# Altium PCB LimeSDR-PCIe_1v3.PcbDoc (part 8 of 10)
Units mm, origin at the board's own origin, x right, y up, seen from the top; angles counter-clockwise.
Board outline 136.85 x 68.9 mm, 12 copper layers (Top, L2, L3, L4, L5, L6, L7, L8, L9, L10, L11, Bottom), stack 1.638 mm thick; 831 components, 538 nets, 3821 pads, 1805 vias.
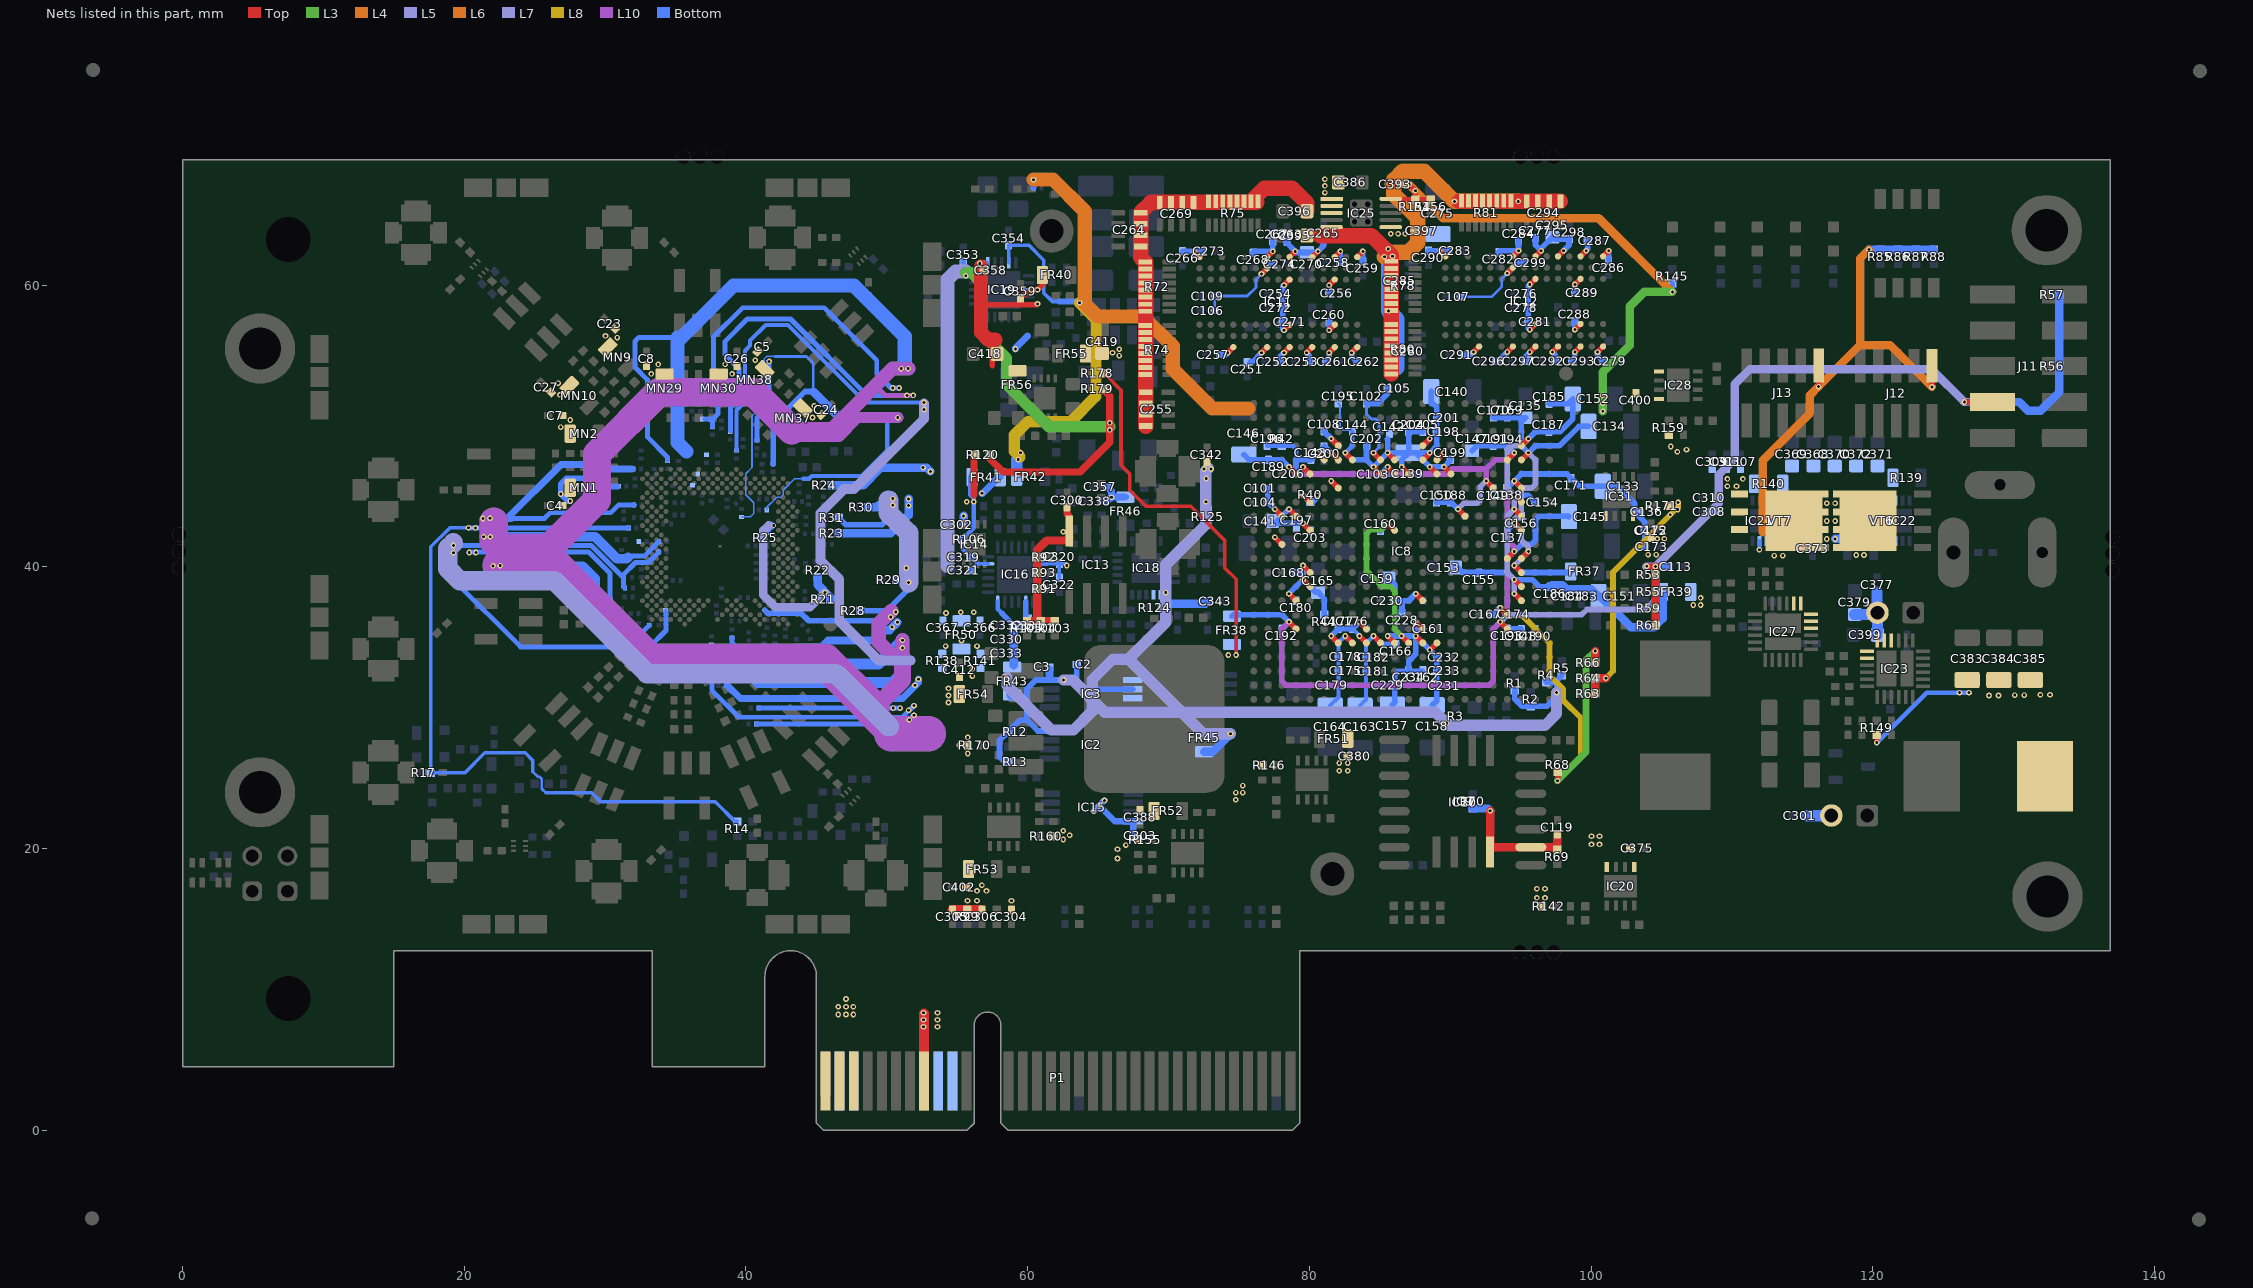
[diagram p18: the nets of this part, all layers, seen from the top]

## Via types
v1: diameter 0.4, hole 0.2, Top to Bottom, tented both sides, 1697 vias
v2: diameter 0.35, hole 0.2, Top to Bottom, tented top, 87 vias
v3: diameter 0.5, hole 0.2, Top to Bottom, tented both sides, 20 vias
v4: diameter 0.4, hole 0.2, Top to Bottom, tented top, 1 vias

## Nets (pads, with @x,y where several pads share a name; then routed paths per layer and width w, separated by ;. In a path a pad name is that pad's centre, name@x,y a point inside that pad or via, vN(x,y) a via of type N, cw(c..) or ccw(c..) an arc to the next point about the centre after c; other vN are vias at no path point) (continued)
VCC1P2L_FPGA: C133.2 C134.2 C135.2 C136.2 C137.2 C138.1 C169.1 C170.1 C171.1 C172.1 C173.1 FR37.2 IC8.K3 IC8.L3 IC8.N3 IC8.T3 IC8.V3 | length 43.2
  Top w0.4: v1(94.55,40.1) IC8.K3@95.05,39.6 ; v1(94.55,43.1) IC8.N3@95.05,42.6 ; v1(94.55,46.1) IC8.T3@95.05,45.6 ; IC8.L3@95.05,40.6 v1(95.55,41.1) ; IC8.V3@95.05,47.6 v1(95.55,48.1)
  L7 w0.4: v1(94.55,40.1) v1(95.55,41.1) 95.55,41.393 95.05,41.893 95.05,42.6 v1(94.55,43.1) 94.55,43.393 95.05,43.893 95.05,45.6 ; v1(94.55,46.1) 95.05,45.6 ; v1(95.55,48.1) 96.05,47.6 96.05,45.893 95.757,45.6 95.05,45.6
  Bottom w0.4: C170.1@93.075,50.625 93.075,50.6 94.025,50.6 C135.2@95.35,50.6 95.05,50.3 95.05,48.6 v1(95.55,48.1) 96.05,48.6 97.757,48.6 99.132,49.975 C134.2@99.825,49.975 ; C138.1@94,45.6 94.05,45.6 v1(94.55,46.1) 95.05,46.6 98.3,46.6 99.175,45.725 C133.2@100.825,45.725 101.875,45.725 103.1,44.5 103.1,43.9 103.798,43.203 C172.1@103.798,42.586 C173.1@103.798,41.439 ; C137.2@94.075,42.575 94.075,42.625 v1(94.55,43.1) ; v1(94.55,40.1) 95.05,39.6 98.525,39.6 FR37.2@98.55,39.625
VCC1P4_LMS: FR28.1 FR30.2 FR32.2 FR33.2 FR34.2 FR35.2 R155.1 | length 140.6
  L5 w0.7: 51.7,33.35 49.45,33.35 46.625,36.175 46.625,39.131 45.3,40.456 45.3,43.819 47.006,45.525 47.675,45.525 52.65,50.5 v1(52.65,51.175) v1@52.65,51.6
  L5 w1.4: v1@19.225,41.7 18.825,41.3 18.825,39.875 19.675,39.025 26.375,39.025 32.975,32.425 46.375,32.425 50.15,28.65
  Bottom w0.3: FR35.2@39.324,48.261 39.324,51.124 39.925,51.725 39.925,55.35 40.292,55.717 40.292,56.067 41.4,57.175 42.985,57.175 48.485,51.675 v1(52.65,51.675)
  Bottom w0.35: FR32.2@31.25,39.35 31.319,39.419 31.319,39.469 32.161,40.311 33.076,40.311 FR28.1@33.815,41.05 ; FR33.2@31.394,38.506 31.319,38.581 31.319,39.281 31.249,39.281 29.011,41.519 v1(19.231,41.519) v1(19.231,41) 19.231,39.094 24,34.325 33.165,34.325 34.324,35.484 FR34.2@34.324,36.881
  Bottom w0.4: v1(52.65,51.175) v1(52.65,51.675)
  Bottom w0.5: FR30.2@38.667,31.593 39.61,30.65 51.1,30.65 52.253,31.803 v1(52.253,32.027)
  other v1: 66.375,19.3 66.375,19.95 66.975,20.25 52,31.6
VCC1P8: C139.2 C140.2 C141.2 C142.2 C143.2 C144.1 C195.1 C196.1 C197.1 C198.1 C199.1 C200.1 C201.1 C202.1 C203.1 C204.1 C205.1 C206.1 C354.1 FR42.1 FR47.1 FR48.1 IC8.N18 IC8.P19 IC8.R18 IC8.U8 IC8.U9 IC8.U11 IC8.U13 IC8.V10 IC8.V12 IC8.V15 IC8.V16 IC8.V17 IC19.14 R40.2 R42.2 R63.1 R64.1 R171.1 | length 116
  Top w0.4: v1(78.55,44.1) IC8.P19@79.05,43.6 ; v1(79.55,43.1) IC8.N18@80.05,42.6 ; v1(79.55,45.1) IC8.R18@80.05,44.6 ; v1(80.55,48.1) IC8.V17@81.05,47.6 ; v1(81.55,48.1) IC8.V16@82.05,47.6 ; v1(82.55,48.1) IC8.V15@83.05,47.6 ; v1(84.55,47.1) IC8.U13@85.05,46.6 ; v1(85.55,48.1) IC8.V12@86.05,47.6 ; v1(86.55,47.1) IC8.U11@87.05,46.6 ; IC8.V10@88.05,47.6 v1(88.55,48.1) ; v1(88.55,47.1) IC8.U9@89.05,46.6 ; v1(89.55,47.1) IC8.U8@90.05,46.6
  Top w0.6: R63.1@100.3,31 R64.1@100.3,32.1 v1(101.05,32.1)
  L8 w0.4: v1(101.05,32.1) 101.55,32.6 101.55,39.625 106.175,44.25 v1(106.175,44.575)
  L8 w0.8: 59.45,47.825 59.05,48.225 59.05,49.35 60,50.3 63.025,50.3 64.85,52.125 64.85,57.575 v1(63.675,58.75)
  L6 w1: v1(60.418,67.493) 61.807,67.493 64.05,65.25 64.05,58.675 64.95,57.775 68.2,57.775 70.3,55.675 70.3,54.05 73.1,51.25 75.675,51.25
  Bottom w0.14: C195.1@82.175,51.475 82.175,49.945 82.395,49.725 C144.1@82.925,49.725
  Bottom w0.15: C195.1@82.05,51.6 C195.1@82.175,51.475 ; C144.1@82.925,49.725 C144.1@83.05,49.6
  Bottom w0.25: IC19.14@58.65,61.6 C354.1@58.65,62.85 60.075,62.85 61.151,61.774 61.151,59.451 61.15,59.45 61.757,58.843 FR47.1@62.251,58.843
  Bottom w0.3: C196.1@77,48.6 R42.2@78.05,48.6 ; R42.2@78.025,48.6 78.8,48.6 79.075,48.325 79.075,47.6 ; v1(82.55,48.1) 83.05,48.6 C144.1@83.05,49.6
  Bottom w0.4: FR48.1@60.418,66.899 v1(60.418,67.493) ; FR47.1@62.251,58.843 63.582,58.843 v1(63.675,58.75) ; C141.2@77.4,43.1 C141.2@77.55,43.1 ; v1@78.55,44.125 v1(78.55,44.1) C141.2@77.55,43.1 ; C206.1@79.05,46.6 79.05,47.575 79.075,47.6 C143.2@80.1,47.6 v1@80.6,48.1 ; v1(79.55,45.1) 80.025,44.625 R40.2@80.075,44.625 80.25,44.625 80.55,44.925 v1(80.55,45.1) ; C203.1@80.075,42.575 v1(79.55,43.1) C141.2@77.55,43.1 ; v1(80.55,48.1) v1@80.6,48.1 ; v1(81.55,48.1) 81.1,48.55 C200.1@81.05,48.55 v1@80.6,48.1 ; v1(82.55,48.1) 83.05,47.6 84.05,47.6 ; C202.1@84.075,48.6 84.05,48.575 84.05,47.6 ; 85.525,49.075 85.55,49.05 v1(85.55,48.1) ; v1(86.55,47.1) 86.55,47.6 C139.2@87.05,48.1 ; C139.2@87.05,48.15 C204.1@87.05,49.6 C205.1@88.05,49.6 ; C140.2@88.65,52.45 88.65,51.6 88.757,51.6 89.05,51.307 89.05,48.6 v1(88.55,48.1) C139.2@87.55,48.1 ; C199.1@90,47.6 90,47.55 v1(89.55,47.1) v1(88.55,47.1) C139.2@87.55,48.1 ; 84.05,47.6 v1(84.55,47.1) v1(85.55,48.1) ; v1(85.55,48.1) C139.2@87,48.1 C139.2@87.05,48.1 ; C139.2@87.05,48.1 C139.2@87.55,48.1
  Bottom w0.8: FR42.1@59.225,46.75 v1@59.225,47.625
  other v1: 105.625,43.7 106.15,44.075 59.325,47.625 59.5,48.1
VCC1P8_DDR2: C251.1 C252.1 C253.1 C254.1 C256.1 C257.1 C258.1 C259.1 C260.1 C261.1 C262.1 C263.1 C265.1 C266.1 C267.1 C268.1 C270.2 C271.2 C272.2 C273.1 C275.2 C276.1 C277.1 C278.1 C279.1 C281.1 C282.1 C283.1 C284.1 C286.1 C287.1 C288.1 C289.1 C290.1 C291.1 C292.1 C293.1 C295.2 C296.2 C297.2 C298.1 C386.2 IC11.A1 IC11.A9 IC11.C1 IC11.C3 IC11.C7 IC11.C9 IC11.E1 IC11.E9 IC11.G1 IC11.G3 IC11.G7 IC11.G9 IC11.J1 IC11.J9 IC11.M9 IC11.R1 IC12.A1 IC12.A9 IC12.C1 IC12.C3 IC12.C7 IC12.C9 IC12.E1 IC12.E9 IC12.G1 IC12.G3 IC12.G7 IC12.G9 IC12.J1 IC12.J9 IC12.M9 IC12.R1 IC25.1 IC25.2 R159.1 | length 54.8
  Top w0.4: v1(71.8,62.4) IC11.R1@72.2,62 ; v1(74.2,55.2) IC11.M9@74.6,55.6 ; v1(76.6,55.2) IC11.J9@77,55.6 ; IC11.J1@77,62 v1(77.4,62.4) ; v1(78.2,55.2) IC11.G9@78.6,55.6 ; v1(78.2,56.8) IC11.G7@78.6,57.2 ; v1(78.2,60) IC11.G3@78.6,60.4 ; IC11.G1@78.6,62 v1(79,62.4) ; v1(79.8,55.2) IC11.E9@80.2,55.6 ; IC11.E1@80.2,62 v1(80.6,62.4) ; v1(81.4,55.2) IC11.C9@81.8,55.6 ; v1(81.4,56.8) IC11.C7@81.8,57.2 ; v1(81.4,60) IC11.C3@81.8,60.4 ; IC11.C1@81.8,62 v1(82.2,62.4) ; v1(83,55.2) IC11.A9@83.4,55.6 ; IC11.A1@83.4,62 v1(83.8,62.4) ; v1(89.25,62.45) IC12.R1@89.65,62.05 ; v1(91.65,55.25) IC12.M9@92.05,55.65 ; v1(94.05,55.25) IC12.J9@94.45,55.65 ; IC12.J1@94.45,62.05 v1(94.85,62.45) ; v1(95.65,55.25) IC12.G9@96.05,55.65 ; v1(95.65,56.85) IC12.G7@96.05,57.25 ; v1(95.65,60.05) IC12.G3@96.05,60.45 ; IC12.G1@96.05,62.05 v1(96.45,62.45) ; v1(97.25,55.25) IC12.E9@97.65,55.65 ; IC12.E1@97.65,62.05 v1(98.05,62.45) ; v1(98.85,55.25) IC12.C9@99.25,55.65 ; v1(98.85,56.85) IC12.C7@99.25,57.25 ; v1(98.85,60.05) IC12.C3@99.25,60.45 ; IC12.C1@99.25,62.05 v1(99.65,62.45) ; v1(100.45,55.25) IC12.A9@100.85,55.65 ; IC12.A1@100.85,62.05 v1(101.25,62.45)
  Bottom w0.4: C266.1@71,62.4 C273.1@72.4,62.4 ; C257.1@73.675,55.075 74.075,55.075 v1(74.2,55.2) ; C251.1@75.8,54.55 75.95,54.55 v1(76.6,55.2) ; C268.1@76,62.3 76.1,62.4 v1(77.4,62.4) C267.1@77.4,63.1 ; C252.1@77.9,54.55 77.9,54.9 v1(78.2,55.2) ; v1(78.2,56.8) 78.1,56.9 C272.2@78.1,58.4 78.1,59.9 v1(78.2,60) ; C263.1@78.4,63.1 78.4,63 v1(79,62.4) 79.075,62.325 80.525,62.325 v1(80.6,62.4) 81,62.8 C265.1@81,63.2 ; v1(79.8,55.2) 80,55 C253.1@80,54.55 ; C261.1@81.2,54.55 81.4,54.75 v1(81.4,55.2) ; v1(81.4,56.8) C260.1@81.4,57.4 ; v1(81.4,60) 81.4,59.45 C256.1@81.425,59.425 ; C258.1@82.2,61.6 v1(82.2,62.4) ; v1(83,55.2) 83,54.95 C262.1@83.4,54.55 ; C259.1@83.8,61.7 v1(83.8,62.4) ; C290.1@88.45,62.45 C283.1@89.85,62.45 ; C291.1@90.95,55.05 91.45,55.05 v1(91.65,55.25) ; C296.2@93.25,54.6 93.4,54.6 v1(94.05,55.25) ; C282.1@93.45,62.35 93.55,62.45 v1(94.85,62.45) C284.1@94.85,63.15 ; C297.2@95.35,54.6 95.35,54.95 v1(95.65,55.25) ; v1(95.65,56.85) 95.55,56.95 95.55,59.95 v1(95.65,60.05) ; C277.1@96.05,63.35 96.05,62.85 v1(96.45,62.45) 96.45,62.6 C295.2@97.25,63.4 97.4,63.25 C298.1@98.45,63.25 98.45,62.85 v1(98.05,62.45) ; v1(97.25,55.25) 97.45,55.05 C292.1@97.45,54.6 ; C293.1@98.65,54.6 98.85,54.8 v1(98.85,55.25) ; v1(98.85,56.85) C288.1@98.85,57.45 ; v1(98.85,60.05) 98.85,59.5 C289.1@98.875,59.475 ; v1(99.65,62.45) 99.75,62.55 C287.1@99.75,63.15 ; v1(100.45,55.25) 100.45,55 C279.1@100.85,54.6 ; C286.1@101.25,61.75 v1(101.25,62.45)
  other v1: 106.125,48.175 106.775,48.325 105.65,48.55 81.1,66.575 81.1,67.05 81.1,67.525
VCC1P8_LMS: C4.2 C5.2 C7.2 C8.2 C23.2 C24.2 C26.2 C27.2 FR1.2 FR2.1 FR3.1 FR4.2 FR5.2 FR6.2 FR7.2 FR8.2 MN1.2 MN2.2 MN9.2 MN10.2 MN29.2 MN30.2 MN37.2 MN38.2 R14.2 R17.2 R20.2 R26.2 R27.1 R146.1 | length 131.2
  Bottom w0.2: 24.85,25.477 25.228,25.098 25.35,25.098 25.503,24.946 25.503,24.251 25.775,23.978
  Bottom w0.254: v1@20.306,42.769 18.969,42.769 17.625,41.425 R17.2@17.625,25.375 20.025,25.375 21.45,26.8 24.324,26.8 24.85,26.274 24.85,25.477 ; 25.775,23.978 29.047,23.978 29.71,23.315 37.463,23.315 37.468,23.32 37.822,23.32 39.216,21.925 R14.2@39.374,21.925
  Bottom w0.35: v1@20.306,42.769 v1(20.8,42.769) FR2.1@31.671,42.769 ; v1(20.35,41.025) 20.394,41.069 28.825,41.069 30.35,39.544 30.35,37.685 FR3.1@30.399,37.636 ; 37.085,50.486 37.089,50.49 FR8.2@37.636,50.49 ; FR4.2@37.574,34.381 37.574,31.252 39.501,29.325 51.1,29.325 v1(51.925,30.15) ; FR6.2@37.625,49.935 37.625,50.479 FR8.2@37.636,50.49 ; R20.2@40.774,49.011 40.774,50.6 41.64,51.466 v1(41.64,54.592) ; v1(50.875,52.7) 50.294,52.7 49.284,53.709 49.284,54.672 45.557,58.4 39.766,58.4 37.694,56.328 37.694,54.034 38,53.728 38,50.85 37.64,50.49 FR8.2@37.636,50.49
  Bottom w0.4: v1(27.52,44.678) 27.345,44.678 v1(26.845,45.178) 26.845,45.891 27.26,46.306 28.604,46.306 29.046,45.863 30.037,45.863 30.194,45.706 FR1.2@30.889,45.706
  Bottom w0.6: R27.1@43.575,34.25 45.325,34.25 45.85,34.775 48.975,34.775 49.719,35.519 50.2,35.519 v1(50.753,36.072)
  other v1: 74.775,23.475 74.775,23.975 75.275,23.975 75.275,24.475 51.55,29.825 50.375,35.725 20.825,41.025 20.3,42.775 26.845,49.927 27.52,50.427 44.725,50.603 44.848,51.434 26.791,52.215 50.425,52.7 26.667,53.046 33.27,53.701 39.019,53.701 33.77,54.376 38.519,54.376 40.659,54.668 30.856,56.28 30.025,56.404
VCC1P25_LMS: FR11.1 FR12.1 FR13.1 FR14.1 FR15.2 FR17.1 FR18.1 FR19.1 FR20.1 FR21.2 FR22.2 FR24.2 FR25.2 FR26.2 FR27.2 FR29.1 FR31.2 R32.2 R34.2 R35.1 R36.1 R37.1 R160.1 | length 320.7
  L10 w0.35: 47.45,50.7 48.45,51.7 ; 49.375,52.675 49.875,52.175 v1(51.875,52.175)
  L10 w0.8: 43.65,49.275 46.6,49.275 47.925,50.6 v1(50.775,50.6)
  L10 w1: 43.775,49.775 46.1,49.775 50.4,54.075 v1(51.525,54.075) ; 48.862,29.613 48.862,29.713 ; 50.312,36.863 49.425,35.975 49.425,34.675 50.575,33.525 51.103,33.525 v1(51.103,34.25) v1(51.103,34.797)
  L10 w1.2: 48.862,29.713 51.103,31.953 51.103,33.525
  L10 w2: 22.1,43.225 22.1,41.825 22.55,41.375 ; v1(22.55,40.094) 22.55,41.375 ; 43.25,49.675 40.524,52.401 33.808,52.401 29.425,48.017 29.425,44.744 26.056,41.375 22.55,41.375 ; 48.862,29.613 50.325,28.15
  L10 w2.5: v1(22.55,40.094) 26.381,40.094 33.175,33.3 45.6,33.3 48.9,30 ; 50.325,28.15 52.95,28.15
  Bottom w0.11: R37.1@39.674,43.551 39.694,43.572 40.331,43.572 40.549,43.79 40.549,44.559 39.983,45.125 39.983,45.565 39.983,46.615 40.429,47.061 40.429,50.722 41.285,51.578 41.285,54.757 41.475,54.947 42.053,54.947 ; FR14.1@41.479,44.031 41.479,44.23 42.18,44.932 42.448,44.932 42.641,45.125 42.641,45.448 43.449,46.256 44.074,46.256
  Bottom w0.2: 42.053,54.947 44.304,54.947 44.775,54.476 44.775,52.45
  Bottom w0.3: 44.074,46.256 44.474,46.256 44.674,46.456 48.206,46.456 50.025,48.275 50.025,50.6
  Bottom w0.35: 23.038,43.438 23.352,43.438 25.688,43.438 26.095,43.845 30.395,43.845 30.931,44.381 R34.2@32.074,44.381 ; 31.636,40.761 32.781,40.761 FR29.1@33.82,41.8 ; 32.738,35.465 FR20.1@33.134,35.861 ; FR27.2@34.424,47.561 34.424,47.806 33,49.23 33,53.299 32.12,54.179 32.12,56.022 32.398,56.301 35.137,56.301 ; FR25.2@38.899,49.636 38.899,51.324 39.494,51.919 39.494,54.09 38.52,55.064 38.52,56.022 40.098,57.6 43.161,57.6 48.586,52.175 v1(51.425,52.175) v1(51.875,52.175) v1@51.9,52.175 ; FR21.2@38.999,34.956 38.999,34.66 39.879,33.78 39.879,32.956 40.825,32.01 40.825,31.85 40.529,31.85 39.429,32.95 39.429,33.576 39.074,33.931 R35.1@39.049,33.931 ; FR11.1@40.735,28.85 51.275,28.85 v1@51.925,29.5 ; FR31.2@40.905,29.975 v1(50.944,29.975)
  Bottom w0.4: FR24.2@41.361,36.894 41.549,36.706 41.995,36.706 42,36.711 42.548,36.711 42.553,36.706 42.555,36.706 42.56,36.711 43.919,36.711 44.455,36.175 50.007,36.175 v1(50.275,36.443) v1(50.632,36.8) ; FR13.1@41.924,47.286 41.924,50.174 44.2,52.45 44.775,52.45
  Bottom w0.5: v1(21.325,43.438) 23.352,43.438 ; 23.038,43.438 26.856,47.256 29.019,47.256 29.329,46.946 R32.2@31.924,46.946
  Bottom w0.6: v1@22,40.094 v1(22.55,40.094) 28.421,40.094 29.32,39.194 29.32,36.693 30.713,35.3 32.573,35.3 ; 44.775,52.45 46.625,50.6 50.025,50.6 v1(50.775,50.6)
  Bottom w0.7: v1@21.425,42.144 v1(21.85,42.144) 29.27,42.144 30.833,40.581 31.531,40.581 31.617,40.667
  Bottom w0.8: 40.825,31.8 50.4,31.8 51.103,32.503 v1(51.103,34.25) v1(51.103,34.797) 49.407,33.1 41.599,33.1
  Bottom w1: 35.137,56.301 35.137,48.825 35.769,48.193 ; 35.288,56.149 39.114,59.975 47.65,59.975 51.275,56.35 51.275,54.2
  other v1: 62.525,20.65 62.975,20.95 62.525,21.275 51.6,29.15 51.925,29.475 50.45,29.975 22.05,40.075 21.375,42.144 21.825,43.45 51.025,54.075
VCC1P25_LMS_DIG: R28.2 R29.2 R30.2 R31.2 R170.1 | length 20.3
  L5 w1.4: 50.125,44.725 50.125,43.825 51.55,42.4 v1(51.55,38.9)
  Bottom w0.4: R31.2@46.575,43.5 47.075,43 49.675,43 50.375,43.7 ; R28.2@48.1,36.9 50.025,36.9 51.55,38.425 v1(51.55,38.9) 51.35,39.1 51,39.1 ; R29.2@50.65,39.1 51,39.1 ; v1(51.375,39.925) 51.375,39.475 51,39.1
  Bottom w0.6: R30.2@48.675,44.25 49.3,44.25 49.425,44.375 v1@50.375,44.375 ; 50.375,43.7 v1@50.375,44.375 ; 50.375,45.05 v1@50.375,44.375
  other v1: 55.75,26.75 55.15,27.35 55.75,27.9 50.425,44.375 50.425,44.85
VCC2P5: FR38.1 FR39.1 R141.2 R142.1 R178.1 | length 25.7
  Top w0.25: R178.1@65.425,53.75 66.625,52.55 66.625,47.225 67.25,46.6 67.25,45.45 68.4,44.3 71.575,44.3 73.975,41.9 73.975,39.95 74.8,39.125 v1(74.8,33.75)
  other v1: 96.15,16.5 96.725,16.5 96.15,17.15 96.725,17.15 56.075,32.25 56.075,32.775 74.25,33.75 107.25,37.3 107.775,37.3 107.775,37.8
VCC2P5A_FPGA: C113.1 C145.2 C146.2 C147.2 C148.2 C149.2 C150.1 C188.1 C189.1 C190.1 C191.1 C192.1 C193.1 C194.1 FR38.2 IC8.F4 IC8.F19 IC8.L4 IC8.P7 IC8.T5 IC8.U19 IC8.V4 J11.4 R53.1 R55.1 R56.1 R57.1 R59.1 R61.1 | length 153.4
  Top w0.4: v1(78.55,36.1) IC8.F19@79.05,35.6 ; v1(78.55,47.1) IC8.U19@79.05,46.6 ; v1(90.55,44.1) IC8.P7@91.05,43.6 ; v1(92.55,46.1) IC8.T5@93.05,45.6 ; v1(93.55,36.1) IC8.F4@94.05,35.6 ; IC8.L4@94.05,40.6 v1(94.55,41.1) ; IC8.V4@94.05,47.6 v1(94.55,48.1) ; v1(103.95,40.05) v1@104.525,40.05 ; v1(126.5,51.707) J11.4@128,51.707
  Top w0.6: R61.1@104.575,35.85 R59.1@104.575,37.05 R55.1@104.575,38.25 R53.1@104.575,39.45 v1(104.575,40.025)
  L5 w0.6: v1@103.925,40.025 v1(104.575,40.025) 109.075,44.525 109.075,46.55 110.2,47.675 110.2,52.975 111.25,54.025 124.182,54.025 v1(126.5,51.707)
  L10 w0.4: v1(78.55,36.1) 78.05,35.6 78.05,31.893 78.343,31.6 92.757,31.6 93.05,31.893 93.05,35.6 v1(93.55,36.1) 94.05,36.6 94.05,40.6 v1(94.55,41.1) 94.55,41.393 94.05,41.893 94.05,46.893 94.05,47.6 ; v1(78.55,47.1) 79.05,46.6 89.757,46.6 90.107,46.95 92.55,46.95 ; v1(92.55,46.1) 92.55,46.95 ; v1(94.55,48.1) 94.05,47.6 ; 92.55,46.95 93.2,47.6 94.05,47.6
  L7 w0.4: v1(90.55,44.1) 90.975,44.525 91.9,44.525 92.125,44.75 92.125,45.675 v1(92.55,46.1) ; v1(93.55,36.1) 94.05,36.6 99.325,36.6 99.7,36.975 103.825,36.975 104.575,37.725 v1(104.575,40.025)
  Bottom w0.4: FR38.2@74.5,36.5 74.6,36.6 78.05,36.6 v1(78.55,36.1) C192.1@78.05,35.6 ; C146.2@75.35,47.975 75.725,47.6 78.05,47.6 v1(78.55,47.1) ; C150.1@89.025,44.575 89.05,44.6 C188.1@90.025,44.6 ; C188.1@90.025,44.575 90.075,44.575 v1(90.55,44.1) ; C147.2@91.55,48.25 91.9,48.6 94.05,48.6 v1(94.55,48.1) ; v1(92.55,46.1) 93.05,45.6 C149.2@93.05,45.55 ; v1(93.55,36.1) C193.1@94.05,35.6 95.025,35.6 C148.2@95.05,35.575 ; v1(94.55,41.1) 95.05,41.6 95.757,41.6 96.05,41.893 96.05,43.35 96.3,43.6 98.4,43.6 C145.2@98.425,43.575
  Bottom w0.6: v1(104.575,40.025) C113.1@105.5,40.025 ; v1(126.5,51.707) 130.393,51.707 131,51.1 131.925,51.1 133.25,52.425 R56.1@133.25,54.25 R57.1@133.25,59.336
VCC2P5AH_FPGA: C151.2 C152.2 C153.2 C154.2 C155.2 C156.1 C183.1 C184.1 C185.1 C186.1 C187.1 FR39.2 IC8.H3 IC8.J3 IC8.P3 IC8.R3 IC8.W3 | length 44.3
  Top w0.4: v1(94.55,38.1) IC8.H3@95.05,37.6 ; v1(94.55,39.1) IC8.J3@95.05,38.6 ; v1(94.55,44.1) IC8.P3@95.05,43.6 ; v1(94.55,45.1) IC8.R3@95.05,44.6 ; IC8.W3@95.05,48.6 v1(95.55,49.1)
  L7 w0.4: v1(94.55,38.1) v1(94.55,39.1) 94.05,39.6 94.05,43.6 v1(94.55,44.1) v1(94.55,45.1) 94.05,45.6 94.05,46.893 94.05,48.307 94.343,48.6 95.05,48.6 v1(95.55,49.1)
  Bottom w0.4: C153.2@90.4,40.1 90.9,39.6 94.05,39.6 v1(94.55,39.1) 95.825,39.1 96.325,38.6 C186.1@97.1,38.6 ; v1(94.55,44.1) C156.1@95.05,43.6 ; v1(94.55,45.1) 95.525,45.1 C154.2@96.05,44.575 ; v1(95.55,49.1) 96.05,49.6 97.8,49.6 98.7,50.5 C152.2@98.7,51.925 C152.2@98.375,51.6 ; C185.1@97.025,51.575 97.025,51.6 97.757,51.6 97.782,51.575 C152.2@98.35,51.575
  Bottom w0.6: C186.1@97.1,38.6 97.2,38.7 97.968,38.7 98.268,38.4 C184.1@98.35,38.4 C183.1@99.325,38.4 100.025,38.4 C151.2@100.525,37.9 100.65,37.9 102.825,35.725 104.475,35.725 105.075,36.325 FR39.2@105.075,38.225
VCC3P3: C119.1 C163.2 C164.2 C165.2 C166.2 C167.2 C168.1 C174.1 C175.1 C176.1 C177.1 C178.1 C179.1 C180.1 C181.1 C182.1 C300.1 C302.1 C303.1 C375.2 C380.2 C383.2 C384.2 C385.2 C388.2 C393.2 C400.2 C402.2 C412.2 C415.2 FR49.1 FR51.1 FR52.1 FR53.1 FR54.1 IC8.E13 IC8.E14 IC8.E15 IC8.E16 IC8.F14 IC8.G4 IC8.H19 IC8.J18 IC8.K18 IC9.8 IC10.2 IC13.8 IC14.8 IC15.8 IC20.5 IC20.8 IC25.10 IC28.5 IC28.8 IC31.5 IC31.8 J12.10 J13.10 L1.2 R44.2 R66.1 R68.1 R69.1 R70.1 R85.1 R86.1 R87.1 R88.1 R91.1 R92.1 R93.1 R103.1 R104.1 R105.1 R138.2 R145.2 R149.1 R154.1 R156.1 | length 172.8
  Top w0.3: IC25.10@85.775,66.125 87.525,66.125 88.575,66.125 R156.1@88.625,66.075
  Top w0.325: v1(120.274,27.526) R149.1@120.274,28.076
  Top w0.4: v1(78.55,38.1) IC8.H19@79.05,37.6 ; v1(79.55,39.1) IC8.J18@80.05,38.6 ; v1(79.55,40.1) IC8.K18@80.05,39.6 ; v1(81.55,35.1) IC8.E16@82.05,34.6 ; v1(82.55,35.1) IC8.E15@83.05,34.6 ; v1(83.55,35.1) IC8.E14@84.05,34.6 ; v1(83.55,36.1) IC8.F14@84.05,35.6 ; v1(84.55,35.1) IC8.E13@85.05,34.6 ; C393.2@86.6,67.15 v1(87.075,67.15) v1(87.525,66.7) 87.525,66.125 R154.1@87.525,66.075 ; v1(93.55,37.1) IC8.G4@94.05,36.6 ; v1(97.625,24.825) R68.1@97.625,25.45 ; v1(116.15,52.8) J13.10@116.15,54.3 ; v1(124.2,52.775) J12.10@124.2,54.275
  Top w0.5: C300.1@62.8,44.25 62.8,43.775 62.945,43.63 IC13.8@62.945,42.55
  Top w0.6: R105.1@59.95,36.15 R104.1@60.925,36.15 ; R103.1@61.925,36.15 R104.1@60.925,36.15 ; IC13.8@62.945,42.55 62.945,41.875 61.351,41.875 60.675,41.199 R92.1@60.675,40.675 R93.1@60.675,39.575 R91.1@60.675,38.45 60.675,36.4 R104.1@60.925,36.15 ; v1(92.83,22.695) 92.83,20.1 IC10.2@95.725,20.1 97.425,20.1 R69.1@97.6,19.925 C119.1@97.6,21.025 ; R66.1@100.3,33.2 v1(100.3,34.025)
  L3 w0.5: v1(97.625,24.825) 99.65,26.85 99.65,33.375 v1(100.3,34.025)
  L3 w0.6: v1(100.825,51.05) 100.825,53.825 102.75,55.75 102.75,58.505 103.77,59.525 v1(105.77,59.525)
  L4 w0.6: v1(87.075,67.15) 89.475,64.75 100.545,64.75 v1(105.77,59.525)
  L8 w0.4: v1(93.55,37.1) 94.05,36.6 95.05,36.6 97.05,34.6 97.05,32.3 98.025,31.325 98.025,30.525 99.275,29.275 99.275,26.475 v1(97.625,24.825)
  L6 w0.6: 112.2,42.475 112.2,47.575 115.525,50.9 115.525,52.175 v1(116.15,52.8) 119.1,55.75 ; v1(119.725,62.525) 119.1,61.9 119.1,55.75 ; v1(124.2,52.775) 121.225,55.75 119.1,55.75
  Bottom w0.3: C164.2@81.475,30.15 82.075,30.75 82.075,34.575 ; v1(81.55,35.1) 82.075,34.575 ; v1(82.55,35.1) 82.075,34.625 82.075,34.575 ; C176.1@83.05,35.625 83.55,35.125 v1(83.55,35.1) 84.025,34.625 ; C163.2@83.6,30.15 84.025,30.575 84.025,34.625 ; C166.2@86.25,34.55 85.1,34.55 v1(84.55,35.1) 84.075,34.625 84.025,34.625
  Bottom w0.325: v1(120.274,27.526) 123.824,31.076 v1(126.824,31.076)
  Bottom w0.4: C180.1@79.05,37.6 v1(78.55,38.1) v1(79.55,39.1) ; C168.1@79.05,39.6 79.525,39.6 ; v1(79.55,40.1) v1(79.55,39.1) ; C165.2@80.625,38.175 81.05,37.75 R44.2@81.05,36.6 ; C165.2@80.675,38.2 80.45,38.2 v1(79.55,39.1) ; v1(81.55,35.1) C177.1@82.05,35.6 ; C177.1@82.05,35.625 C177.1@82.05,35.6 ; v1(83.55,36.1) 83.075,35.625 C176.1@83.05,35.625 83.025,35.6 C177.1@82.05,35.6 ; C167.2@93.025,36.625 93.5,37.1 v1(93.55,37.1) C174.1@94.025,36.625 ; v1(105.77,59.525) R145.2@105.77,60.125
  Bottom w0.45: v1(64.7,22.675) v1@65.442,23.417 ; v1(65.075,23.05) 66.175,21.95 IC15.8@67.5,21.95 C303.1@67.5,20.9
  Bottom w0.5: v1(59.125,55.475) 59.125,55.55 FR49.1@59.975,56.4